# KiCad board KB75.kicad_pcb (continued)
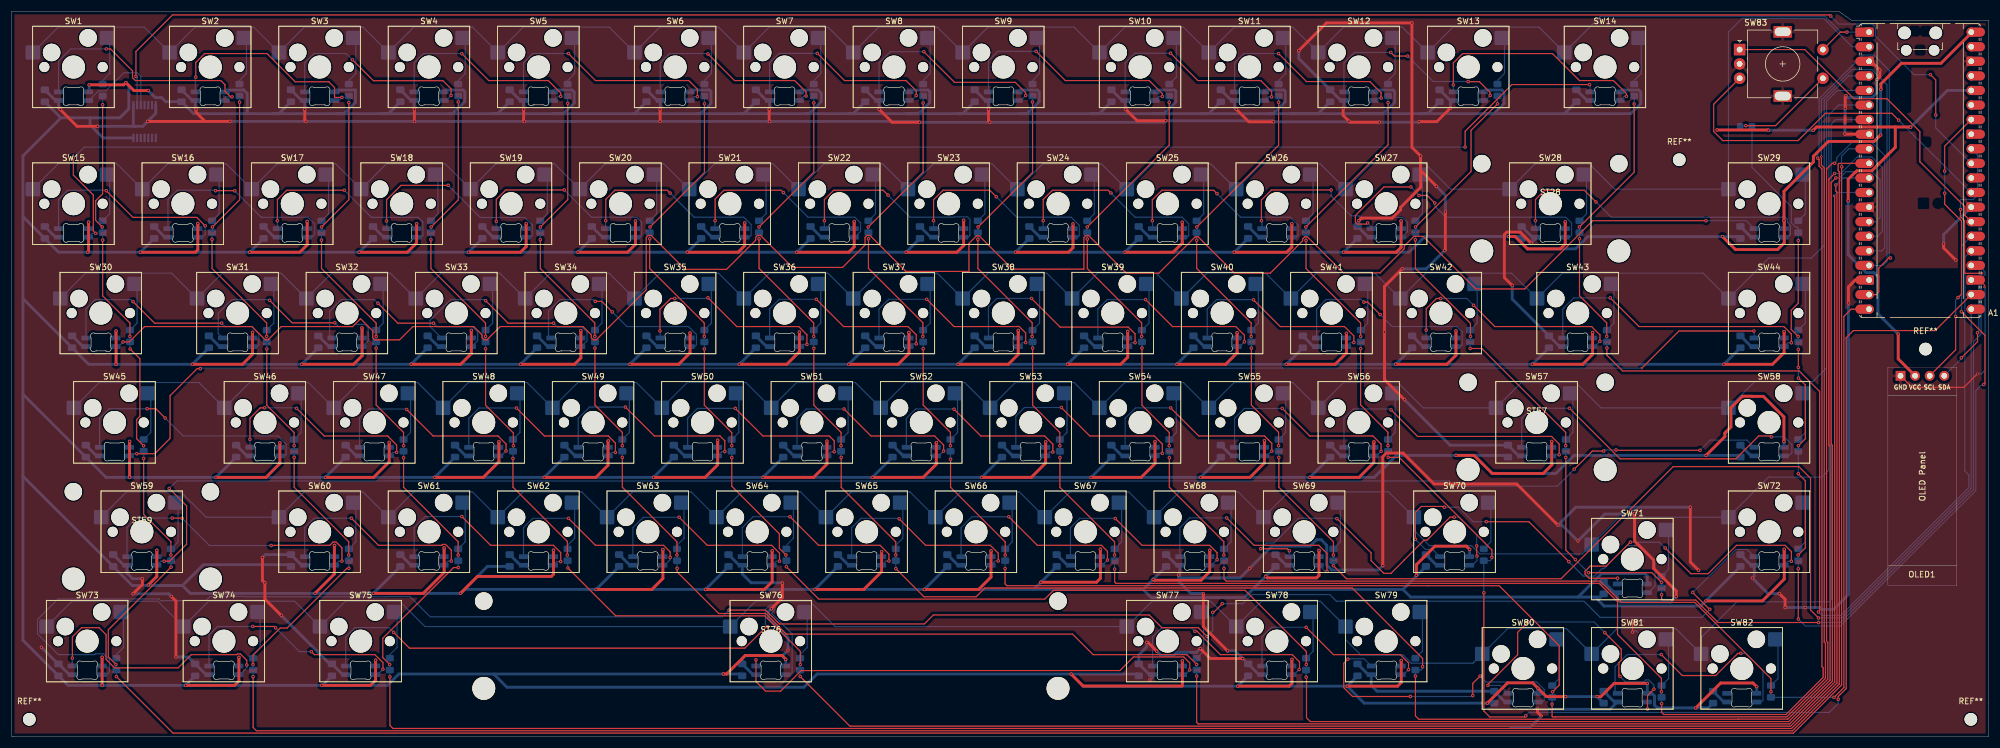
[diagram p0: board, top side]
## Routing (per net, layer and track width the routed paths; a pad name or vN(x,y) marks a point on that pad's centre or on a via; arc(x,y) is an arc through that point) (continued)
GND: length 1274.7
  Top w0.2: v3(343.58,78.29) 343.6,78.31 343.6,78.62 342.69,79.53 A1.23 ; v1(282.3,18.21) 282.3,20.01 v1(282.41,20.12) ; v2(342.35,63.18) 339.99,60.82 330.98,60.82 OLED1.1
  Top w0.5: v1(231.91,109.46) 231.91,108.2 v1(232.92,107.19) 233.1,107.01 v1(238.19,107.01) ; v1(224.17,119.48) 229,124.31 v1(243.88,124.31) 243.88,102.62 v1(245.39,101.11) ; v1(43.7,31.17) 43.7,27.19 v1(44.13,26.76) 44.13,23.94 v1(47,21.07) ; v1(319.28,104.97) 319.32,104.93 A1.8 ; v1(293.8,28.96) 292.35,30.41 v1(292.35,39.95) ; v1(214.41,13.59) 208.75,13.59 v1(207.01,15.33) ; v1(248.15,95.84) 245.39,98.6 v1(245.39,101.11) ; v1(269.3,36.82) 262.13,43.99 247.73,43.99 242.35,49.37 239.42,49.37 238.8,48.74 v1(238.8,29.76) ; v1(264.64,85.96) 262.72,87.87 260.4,87.87 259.96,87.43 259.96,79.95 v1(261.35,78.57) ; v1(70.2,107.15) 70.16,107.19 v1(70.16,109.25) ; v1(245.39,101.11) 245.39,95.66 241.9,92.18 241.9,91.78 240.44,90.31 235.07,90.31 v1(234.63,89.86) ; v1(132.03,107.15) 131.95,107.23 v1(131.95,109.25) ; 33.72,107.15 23.73,107.15 v1(23.72,107.16) ; 33.72,107.15 v1(38.07,107.15) ; 33.72,107.15 32.14,108.73 v1(32.14,109.26) ; A1.3 323.83,117.63 v1(325.36,116.1) 325.36,114.92 v1(324.86,114.42) ; v1(282.65,38.87) 282.65,34.05 285.97,30.73 285.97,29.28 289.89,25.36 v1(289.89,24.37) ; v1(242.17,81.47) 239.1,78.4 v1(239.1,70.48) 239.1,62.16 v1(242.6,58.66) ; v1(158.16,107) 153.36,107 v1(151.11,109.25) ; v1(132.32,22.27) 134.25,24.2 v1(134.25,26.73) ; v1(245.13,107.11) 248.21,107.11 v1(250.57,109.47) ; v3(319.31,108.02) v3(319.31,106.92) ; v1(249.58,84.68) 249.7,84.8 v1(249.7,91.39) ; v1(21.17,24.86) 22.79,26.48 v1(22.79,27.49) ; v1(211.77,14.93) 207.56,19.14 v3(207.56,24.91) ; v1(89.19,109.25) 89.19,107.31 v1(89.35,107.15) ; v1(338.6,82.98) 336.47,85.11 v1(336.47,85.83) ; v3(266.43,3.56) 265.75,4.24 v1(265.75,4.79) ; v1(170.14,109.25) 170.14,107.22 v1(170.36,107) ; v1(213.3,109.25) 215.46,107.09 v1(219.76,107.09) ; v1(15,106.3) 11.42,106.3 v1(8.49,109.23) ; v1(201.01,107.27) 196.03,107.27 v1(194.05,109.25) ; v1(319.34,109.4) 319.34,111.53 v1(319.45,111.65) ; v1(27.84,24.4) 28.65,23.59 v1(28.65,13.85) ; v1(199.45,14.86) 197.93,16.38 v1(197.7,16.38) ; v1(51.29,107.15) 51.07,107.37 v1(51.07,109.25) ; v1(308.86,22.47) 308.86,23.9 v1(307.87,24.89) ; v1(112.96,109.25) v1(112.96,107.15) ; A1.18 321.08,79.53 319.89,78.33 v1(319.89,75.53)
  Bottom w0.2: v2(342.35,63.18) 343.04,63.18 343.68,63.83 343.68,78.19 v3(343.58,78.29) ; 283.29,18.09 282.97,18.41 282.49,18.41 v1(282.3,18.21) ; v1(282.41,20.12) 284.3,20.12
  Bottom w0.5: LED80.2 260.08,6.02 C80.1 237.8,7.89 236.8,8.89 236.8,10.78 236.27,10.78 C79.1 ; LED33.2 74.34,67.93 C33.1 ; LED57.2 262.46,48.88 C57.1 250.51,50.75 v1(242.6,58.66) ; C25.1 198.17,86.98 LED25.2 ; U1.7 25.12,108.57 v1(23.72,107.16) 22.86,106.3 21.38,106.3 ; C53.1 174.36,48.88 LED53.2 ; C45.1 14.81,48.88 LED45.2 ; LED41.2 226.74,67.93 C41.1 ; 21.38,106.3 21.22,106.46 21.22,110 ; 21.38,106.3 v1(15,106.3) ; C4.1 69.58,110.8 LED4.2 70.11,109.3 v1(70.16,109.25) ; C49.1 98.16,48.88 LED49.2 ; LED62.2 88.63,29.83 C61.1 ; C10.1 193.41,110.8 LED10.2 193.94,109.36 v1(194.05,109.25) ; v1(203.24,28.13) 203.46,28.36 LED68.2 202.93,29.83 C67.1 ; v1(203.24,28.13) 203.74,27.63 213.96,27.63 v1(215.62,29.29) 219.48,33.16 226.15,33.16 227.27,34.29 228.07,34.29 229.04,33.31 229.04,29.85 229.88,29.01 238.04,29.01 v1(238.8,29.76) ; v1(203.24,28.13) 203.24,27.05 205.38,24.91 v3(207.56,24.91) ; C11.1 212.46,110.8 LED11.2 212.99,109.56 v1(213.3,109.25) ; C54.1 193.41,48.88 LED54.2 ; v1(27.84,24.4) 27.38,24.86 v1(21.17,24.86) ; C62.1 107.68,29.83 LED63.2 ; v1(264.64,85.96) 265.38,86.7 LED28.2 264.84,86.98 C28.1 ; LED18.2 64.82,86.98 C18.1 ; LED31.2 36.24,67.93 C31.1 ; C42.1 245.79,67.93 LED42.2 ; C51.1 136.26,48.88 LED51.2 ; LED60.2 50.53,29.83 C59.1 44.22,31.7 v1(43.7,31.17) ; v1(319.28,104.97) 319.28,106.89 v3(319.31,106.92) ; 261.08,1.58 264.45,1.58 v3(266.43,3.56) ; C65.1 164.83,29.83 LED66.2 ; 217.75,10.78 217.22,10.78 C78.1 v1(214.41,13.59) 213.07,14.93 v1(211.77,14.93) ; LED55.2 212.46,48.88 C55.1 ; 236.8,86.98 236.27,86.98 C27.1 234.63,89.08 v1(234.63,89.86) ; v1(250.57,109.47) 250.57,110.27 LED13.2 250.56,110.8 C13.1 ; C14.1 274.37,110.8 LED14.2 ; A1.28 336.47,87.43 v1(336.47,85.83) ; C71.1 302.94,48.88 LED58.2 ; C3.1 50.53,110.8 LED3.2 51.06,109.25 v1(51.07,109.25) ; v1(5.22,15.54) 8.11,12.65 C73.1 10.05,10.78 LED73.2 ; C68.1 221.98,29.83 LED69.2 ; LED44.2 302.94,67.93 C44.1 ; C66.1 183.88,29.83 LED67.2 ; C22.1 141.02,86.98 LED22.2 ; LED43.2 269.61,67.93 C43.1 261.35,76.19 v1(261.35,78.57) ; 217.75,86.98 217.22,86.98 C26.1 ; C8.1 150.54,110.8 LED8.2 151.08,109.28 v1(151.11,109.25) ; C21.1 121.97,86.98 LED21.2 ; v1(170.14,109.25) 170.13,109.26 LED9.2 169.59,110.8 C9.1 ; v1(319.34,109.4) 319.31,109.37 v3(319.31,108.02) ; v1(292.35,39.95) 272.43,39.95 v1(269.3,36.82) 270.02,36.82 v1(272.79,34.05) 272.79,34.07 277.47,38.76 282.53,38.76 v1(282.65,38.87) ; v1(289.89,24.37) 288.95,23.43 280.1,23.43 279.66,23.87 LED71.2 279.13,25.07 C70.1 ; v1(307.87,24.89) 305.89,24.89 v1(303.17,27.61) 303.48,27.92 LED72.2 302.94,29.83 C72.1 ; C47.1 60.06,48.88 LED47.2 ; LED39.2 188.64,67.93 C39.1 ; v1(112.96,109.25) 112.98,109.27 LED6.2 112.44,110.8 C6.1 ; LED56.2 231.51,48.88 C56.1 ; C58.1 19.57,29.83 LED59.2 20.11,28.47 21.09,27.49 v1(22.79,27.49) ; LED23.2 160.07,86.98 C23.1 ; v1(89.19,109.25) 89.16,109.28 LED5.2 88.63,110.8 C5.1 ; v1(319.45,111.65) 319.8,111.3 324,111.3 324.78,112.08 324.78,114.35 v1(324.86,114.42) ; v1(231.91,109.46) 232.04,109.59 LED12.2 231.51,110.8 C12.1 224.17,118.14 v1(224.17,119.48) ; C46.1 41.01,48.88 LED46.2 ; C7.1 131.49,110.8 LED7.2 132.03,109.33 v1(131.95,109.25) ; C63.1 126.73,29.83 LED64.2 127.26,28.33 128.81,26.78 134.2,26.78 v1(134.25,26.73) ; C36.1 131.49,67.93 LED36.2 ; LED32.2 55.29,67.93 C32.1 ; v1(248.15,95.84) 249.7,94.29 v1(249.7,91.39) ; LED35.2 112.44,67.93 C35.1 ; v1(199.45,14.86) 200.2,14.11 202.37,14.11 202.92,14.66 206.34,14.66 v1(207.01,15.33) ; v1(249.58,84.68) 246.37,81.47 v1(242.17,81.47) ; LED61.2 69.58,29.83 C60.1 ; C38.1 169.59,67.93 LED38.2 ; LED15.2 7.67,86.98 C15.1 ; C34.1 93.39,67.93 LED34.2 ; C20.1 102.92,86.98 LED20.2 ; LED24.2 179.12,86.98 C24.1 ; v1(198.24,9.86) 198.7,10.33 LED77.2 198.17,10.78 C77.1 196.3,14.22 197.7,15.62 v1(197.7,16.38) ; LED74.2 33.86,10.78 C74.1 30.79,13.85 v1(28.65,13.85) ; LED82.2 298.18,6.02 C82.1 ; C81.1 279.13,6.02 LED81.2 278.39,4.74 265.79,4.74 v1(265.75,4.79) ; v1(38.07,107.15) v1(51.29,107.15) v1(70.2,107.15) v1(89.35,107.15) v1(112.96,107.15) v1(132.03,107.15) 158.01,107.15 v1(158.16,107) v1(170.36,107) 200.74,107 v1(201.01,107.27) 219.58,107.27 v1(219.76,107.09) 232.82,107.09 v1(232.92,107.19) ; v1(319.89,75.53) 319.89,24.72 317.31,22.15 315.29,22.15 314.97,22.47 v1(312.36,22.47) 312.35,22.46 311.62,22.46 311.61,22.47 v1(308.86,22.47) ; v1(238.19,107.01) 245.03,107.01 v1(245.13,107.11) ; C19.1 83.87,86.98 LED19.2 ; v1(8.49,109.23) 8.2,109.52 LED1.2 7.67,110.8 C1.1 ; C69.1 248.17,29.83 LED70.2 ; LED50.2 117.21,48.88 C50.1 ; LED30.2 12.43,67.93 C30.1 ; 27.25,86.98 26.72,86.98 C16.1 ; LED75.2 57.67,10.78 C75.1 55.42,12.65 v1(47,21.07) ; C48.1 79.11,48.88 LED48.2 ; LED29.2 302.94,86.98 C29.1 ; C52.1 155.31,48.88 LED52.2 ; v1(132.32,22.27) 131.83,21.78 131.83,20.6 135.23,17.2 v1(135.23,15.04) 134.3,14.11 127.77,14.11 127.24,13.58 127.24,12.66 C76.1 129.11,10.78 LED76.2 ; LED17.2 45.77,86.98 C17.1 ; C37.1 150.54,67.93 LED37.2 ; LED40.2 207.69,67.93 C40.1 ; C64.1 145.78,29.83 LED65.2 ; C2.1 31.48,110.8 LED2.2 32.01,109.39 v1(32.14,109.26)
C1: length 518.1
  Top w0.2: v1(27.79,29.52) 16.87,18.6 16.87,13.88 v1(18.19,12.56) ; v1(20.63,69.71) 20.63,72.02 15.88,76.77 v1(15.88,86.48) ; v1(18.28,10.44) 28.12,0.6 310.31,0.6 318.7,8.98 318.7,99.22 v1(318.73,99.25) ; v1(20.66,67.51) 22.36,65.81 22.36,55.78 21.8,55.22 21.8,51.87 v1(23.01,50.66) ; v1(23.02,48.43) 23.02,38.7 27.76,33.96 v1(27.76,31.61) ; v1(15.81,88.76) 14.65,89.91 14.65,93.32 15.87,94.53 v1(15.87,110.05)
  Bottom w0.2: v1(23.02,48.43) 23.02,48.44 D45.1 23.01,49.71 v1(23.01,50.66) ; D1.1 15.88,110.07 v1(15.87,110.05) ; v1(15.88,86.48) 15.88,86.49 D15.1 15.81,87.86 v1(15.81,88.76) ; v1(27.79,29.52) 27.79,29.52 27.79,30.64 27.76,30.67 v1(27.76,31.61) ; v1(20.63,69.71) 20.63,68.76 20.64,68.74 20.64,67.53 v1(20.66,67.51) ; v1(318.73,99.25) 318.7,99.28 318.7,101.13 319.95,102.39 A1.9 ; v1(18.19,12.56) 18.19,11.66 D73.1 18.26,10.46 v1(18.28,10.44)
C2: length 505.6
  Top w0.2: v1(44.46,67.52) 44.46,57.72 49.22,52.96 v1(49.22,50.66) ; A1.10 318.26,99.85 318.09,99.68 318.09,98.61 318.29,98.41 318.29,9.15 310.15,1 42.65,1 42.09,1.56 42.09,10.41 v1(42.08,10.42) ; v1(49.23,48.61) 49.23,43.42 58.73,33.92 v1(58.73,31.61) ; v1(34.93,86.61) 34.93,81.54 44.43,72.03 v1(44.43,69.71) ; v1(35,88.76) 39.72,93.48 v1(39.72,110.5) ; v1(42.06,12.56) 42.06,14.18 46.79,18.9 48.01,18.9 58.4,29.29 v1(58.76,29.29)
  Bottom w0.2: v1(49.23,48.61) 49.22,48.62 D46.1 49.22,49.69 v1(49.22,50.66) ; v1(39.72,110.5) 39.69,110.53 D2.1 ; v1(42.06,12.56) 42.06,11.6 D74.1 42.07,10.42 v1(42.08,10.42) ; v1(44.43,69.71) 44.43,68.76 44.46,68.74 v1(44.46,67.52) ; v1(58.76,29.29) 58.74,29.31 58.74,30.64 58.73,30.66 v1(58.73,31.61) ; v1(34.93,86.61) 34.93,86.62 D16.1 35,87.85 v1(35,88.76)
C3: length 476.6
  Top w0.2: v1(58.75,110.42) 58.75,93.51 v1(54,88.76) ; v1(317.69,96.07) 317.69,96.06 317.69,95.04 317.89,94.83 317.89,9.31 309.98,1.4 66.43,1.4 65.9,1.93 v1(65.9,10.4) ; v1(68.28,50.66) 68.28,52.97 63.51,57.74 v1(63.51,67.64) ; v1(63.5,69.71) 63.5,72.01 53.99,81.53 v1(53.99,86.47) ; v1(77.8,29.43) 76.97,29.43 64.66,17.12 64.66,13.75 v1(65.85,12.56) ; v1(68.28,48.56) 68.28,43.42 77.79,33.91 v1(77.79,31.61)
  Bottom w0.2: v1(63.5,69.71) 63.5,68.74 63.51,68.74 v1(63.51,67.64) ; v1(77.8,29.43) 77.79,29.44 77.79,30.64 77.79,30.64 v1(77.79,31.61) ; v1(65.9,10.4) 65.89,10.41 D75.1 65.85,11.63 v1(65.85,12.56) ; v1(53.99,86.47) 53.98,86.48 D17.1 54,87.8 v1(54,88.76) ; v1(58.75,110.42) 58.74,110.43 D3.1 ; v1(317.69,96.07) 318.93,97.31 A1.11 ; v1(68.28,50.66) 68.28,49.7 D47.1 68.27,48.57 v1(68.28,48.56)
C4: length 423
  Top w0.2: v1(137.35,10.46) 146,1.8 309.82,1.8 317.49,9.48 317.49,94.07 v3(317.38,94.18) ; v1(87.41,50.66) 87.41,50.67 87.41,52.87 82.56,57.72 v1(82.56,67.54) ; v1(82.55,69.71) 82.55,72.01 73.04,81.53 v1(73.04,86.54) ; v1(96.89,29.36) 105.22,21.03 131.17,21.03 137.37,14.83 v1(137.37,12.56) ; v1(96.8,31.61) 96.8,33.97 87.33,43.45 v1(87.33,48.44) ; v1(73.08,88.76) 77.81,93.49 v1(77.81,110.56)
  Bottom w0.2: v1(137.37,12.56) 137.32,12.51 D76.1 137.32,10.48 v1(137.35,10.46) ; v1(77.81,110.56) 77.79,110.58 D4.1 ; v1(82.56,67.54) 82.56,68.74 82.55,68.74 v1(82.55,69.71) ; v3(317.38,94.18) 317.96,94.77 A1.12 ; v1(87.33,48.44) 87.32,48.45 D48.1 ; v1(73.04,86.54) 73.03,86.55 D18.1 73.08,87.84 v1(73.08,88.76) ; v1(87.41,50.66) 87.41,49.78 ; v1(96.89,29.36) 96.84,29.41 96.84,30.64 96.8,30.68 v1(96.8,31.61)
C5: length 421.5
  Top w0.2: v1(106.38,50.66) 106.38,52.97 101.6,57.75 v1(101.6,67.65) ; v1(96.87,110.3) 96.87,93.52 v1(92.11,88.76) ; v1(206.39,10.52) 206.39,2.46 206.64,2.21 309.65,2.21 317.09,9.65 317.09,50.73 316.88,50.95 316.88,96.5 v1(317.69,97.31) ; v1(106.38,48.62) 106.38,43.42 115.88,33.92 v1(115.88,31.61) ; v1(101.58,69.71) 101.58,72.04 92.1,81.52 v1(92.1,86.54) ; v1(115.92,29.29) 115.92,28.67 123.16,21.43 131.34,21.43 134.93,17.84 184.77,17.84 188.35,14.26 204.68,14.26 v1(206.38,12.56)
  Bottom w0.2: v1(115.92,29.29) 115.89,29.31 115.89,30.64 115.88,30.65 v1(115.88,31.61) ; v1(92.1,86.54) 92.08,86.56 D19.1 92.11,87.81 v1(92.11,88.76) ; v1(101.6,67.65) 101.61,67.66 101.61,68.74 101.58,68.77 v1(101.58,69.71) ; D5.1 96.84,110.33 v1(96.87,110.3) ; v1(206.38,12.56) 206.38,11.59 D77.1 206.38,10.53 v1(206.39,10.52) ; A1.14 324.64,89.69 325.4,90.44 325.4,96.95 323.94,98.41 319.45,98.41 318.36,97.31 v1(317.69,97.31) ; v1(106.38,50.66) 106.38,49.7 D49.1 106.37,48.63 v1(106.38,48.62)
C6: length 412.6
  Top w0.2: v1(134.87,31.61) 133.72,32.76 133.72,35.31 125.43,43.6 v1(125.43,48.6) ; v1(225.46,10.33) 225.52,10.27 225.52,3.26 226.17,2.61 309.48,2.61 316.69,9.81 316.69,50.57 316.48,50.78 316.48,97.08 v1(317.48,98.08) ; v1(225.49,12.56) 225.49,14.8 214.82,25.47 181.47,25.47 179.94,23.94 140.58,23.94 v1(134.95,29.57) ; v1(120.66,67.52) 120.66,57.72 125.43,52.95 v1(125.43,50.66) ; v1(111.14,86.7) 111.14,81.53 120.65,72.02 v1(120.65,69.71) ; v1(111.2,88.76) 120.68,98.24 v1(120.68,110.23)
  Bottom w0.2: v1(317.48,98.08) 318.56,98.08 321.42,100.95 323.94,100.95 325.8,99.09 325.8,87.98 324.96,87.15 A1.15 ; v1(120.65,69.71) 120.65,68.75 120.66,68.74 v1(120.66,67.52) ; v1(111.2,88.76) 111.2,87.85 D20.1 111.13,86.71 v1(111.14,86.7) ; v1(125.43,50.66) 125.43,49.7 D50.1 125.42,48.61 v1(125.43,48.6) ; v1(225.46,10.33) 225.43,10.36 D78.1 225.49,11.64 v1(225.49,12.56) ; v1(134.95,29.57) 134.94,29.58 134.94,30.64 134.87,30.71 v1(134.87,31.61) ; D6.1 120.66,110.25 v1(120.68,110.23)
C7: length 403
  Top w0.2: v1(139.72,67.62) 139.72,57.73 144.46,52.99 v1(144.46,50.66) ; v1(139.72,110.38) 139.72,98.31 v1(130.17,88.76) ; v1(144.49,48.61) 144.49,43.41 153.99,33.91 v1(153.99,31.61) ; v1(317.48,99.86) 317.09,99.86 316.08,98.85 316.08,16.63 316.29,16.41 316.29,9.98 309.34,3.03 300.75,3.03 300.73,3.01 245.07,3.01 244.49,3.59 v1(244.49,10.53) ; v1(130.19,86.7) 130.19,81.55 139.7,72.04 v1(139.7,69.71) ; v1(154.01,29.24) 158.9,24.34 167.98,24.34 169.51,25.87 233.46,25.87 245.73,13.61 v1(245.73,12.16)
  Bottom w0.2: v1(154.01,29.24) 153.99,29.25 153.99,30.64 153.99,30.65 v1(153.99,31.61) ; v1(144.49,48.61) 144.47,48.63 D51.1 144.46,49.7 v1(144.46,50.66) ; v1(139.7,69.71) 139.7,68.75 139.71,68.74 139.71,67.63 v1(139.72,67.62) ; v1(244.49,10.53) 244.48,10.54 D79.1 245.48,11.59 245.73,11.83 v1(245.73,12.16) ; A1.16 325.68,84.61 326.2,85.12 326.2,101.23 323.94,103.49 320.48,103.49 317.86,100.86 317.86,100.24 v1(317.48,99.86) ; D7.1 139.71,110.39 v1(139.72,110.38) ; v1(130.17,88.76) 130.17,87.8 D21.1 130.18,86.71 v1(130.19,86.7)
C8: length 413
  Top w0.2: v1(268.28,5.64) 268.28,3.52 268.39,3.41 268.83,3.41 268.85,3.43 309.18,3.43 315.89,10.15 315.89,16.25 315.67,16.46 315.67,99.04 315.18,99.54 v3(315.18,101.04) ; v1(158.77,67.55) 158.77,57.73 163.51,52.99 v1(163.51,50.66) ; v1(173.04,29.25) 173.02,29.23 173.02,26.6 173.34,26.27 246.64,26.27 246.65,26.27 259.06,26.27 269.52,15.82 269.52,8.94 v1(268.37,7.8) ; v1(149.21,88.76) 158.76,98.31 v1(158.76,110.37) ; v1(149.24,86.7) 149.24,81.55 158.71,72.08 v1(158.71,69.71) ; v1(173.06,31.61) 173.06,33.89 163.53,43.42 v1(163.53,48.31)
  Bottom w0.2: v3(315.18,101.04) 315.18,110.91 320.45,116.19 323.94,116.19 326.6,113.53 326.6,82.76 325.91,82.07 A1.17 ; v1(158.77,67.55) 158.76,67.56 158.76,68.74 158.71,68.79 v1(158.71,69.71) ; v1(149.24,86.7) 149.23,86.71 D22.1 149.21,87.81 v1(149.21,88.76) ; v1(268.28,5.64) 268.29,5.66 D80.1 268.37,6.91 v1(268.37,7.8) ; v1(163.53,48.31) 163.52,48.32 D52.1 163.51,49.7 v1(163.51,50.66) ; D8.1 v1(158.76,110.37) ; v1(173.04,29.25) 173.04,29.26 173.04,30.64 173.06,30.65 v1(173.06,31.61)
C9: length 400.2
  Top w0.2: A1.19 324.69,76.99 324.7,76.98 325.17,77.46 325.17,81.62 326.92,83.36 v1(327.2,83.36) ; v1(182.58,48.58) 182.58,43.42 192.09,33.91 v1(192.09,31.61) ; v1(182.56,50.66) 182.56,52.97 177.82,57.71 v1(177.82,67.66) ; v1(192.11,29.16) 192.11,26.92 192.35,26.68 276.48,26.68 279.68,23.48 279.68,17.78 287.32,10.14 v1(287.32,7.8) ; v1(177.75,69.71) 177.75,72.07 168.29,81.53 v1(168.29,86.6) ; v1(168.33,88.76) 177.81,98.24 v1(177.81,110.53) ; v1(287.35,5.73) 287.37,5.71 287.37,4.18 287.72,3.83 309.01,3.83 315.49,10.31 315.49,11.97 315.27,12.19 315.27,98.88 314.77,99.38 314.77,100.52 v1(314.53,100.77)
  Bottom w0.2: v1(192.11,29.16) 192.09,29.18 192.09,30.64 192.09,30.65 v1(192.09,31.61) ; v1(177.82,67.66) 177.81,67.67 177.81,68.74 177.75,68.8 v1(177.75,69.71) ; v1(168.33,88.76) 168.33,87.83 D23.1 168.28,86.61 v1(168.29,86.6) ; v1(327.2,83.36) 327,83.56 327,116.03 324.29,118.73 322.43,118.73 314.77,111.08 314.77,102.15 314.53,101.91 v1(314.53,100.77) ; v1(182.58,48.58) 182.57,48.59 D53.1 182.56,49.7 v1(182.56,50.66) ; v1(287.35,5.73) 287.34,5.74 D81.1 287.32,6.85 v1(287.32,7.8) ; D9.1 v1(177.81,110.53)
C10: length 287.8
  Top w0.2: v1(306.4,7.8) 306.4,10.09 293.12,23.37 280.36,23.37 280.08,23.65 280.08,23.65 276.65,27.08 211.53,27.08 211.15,27.46 v1(211.15,29.27) ; A1.20 320.36,74.45 319.1,73.18 319.1,73.18 319.1,8.53 v1(317.38,6.82) ; v1(201.63,48.57) 201.63,43.42 211.12,33.93 v1(211.12,31.61) ; v1(196.81,69.71) 196.81,72.06 187.35,81.52 v1(187.35,86.66) ; v1(201.61,110.46) 201.61,103.03 v1(187.33,88.76) ; v1(196.87,67.66) 196.87,57.71 201.62,52.96 v1(201.62,50.66)
  Bottom w0.2: v1(306.4,7.8) 306.4,6.83 D82.1 306.4,6.82 v1(317.38,6.82) ; v1(201.63,48.57) 201.62,48.58 D54.1 201.62,49.69 v1(201.62,50.66) ; v1(196.87,67.66) 196.86,67.67 196.86,68.74 196.81,68.79 v1(196.81,69.71) ; v1(201.61,110.46) 201.62,110.48 D10.1 ; v1(211.12,31.61) 211.12,30.66 211.14,30.64 211.14,29.28 v1(211.15,29.27) ; v1(187.33,88.76) 187.33,87.79 D24.1 187.33,86.68 v1(187.35,86.66)
C11: length 282.7
  Top w0.2: v1(215.88,69.71) 215.88,72.05 206.39,81.55 v1(206.39,86.45) ; v1(220.7,48.6) 220.7,43.43 230.2,33.93 v1(230.2,31.61) ; v1(206.42,88.76) 220.66,103 v1(220.66,110.49) ; v1(314.67,20.66) 313.29,22.05 313.29,44.98 311.26,47.01 289.37,47.01 269.84,27.48 232.48,27.48 v1(230.2,29.76) ; v1(215.92,67.67) 215.92,57.73 220.64,53 v1(220.64,50.66)
  Bottom w0.2: v1(215.88,69.71) 215.88,68.76 215.91,68.74 215.91,67.68 v1(215.92,67.67) ; D11.1 220.67,110.5 v1(220.66,110.49) ; v1(206.42,88.76) 206.42,87.82 D25.1 206.38,86.46 v1(206.39,86.45) ; v1(230.2,29.76) 230.19,29.77 230.19,30.64 230.2,30.64 v1(230.2,31.61) ; v1(314.67,20.66) 318.73,20.66 341.27,43.2 A1.21 ; v1(220.64,50.66) 220.64,49.71 D55.1 220.67,48.63 v1(220.7,48.6)
C12: length 281.2
  Top w0.2: v1(239.69,50.66) 239.69,53 234.94,57.76 v1(234.94,67.56) ; v1(318.11,6.49) 318.11,6.98 319.5,8.37 319.5,69.47 320.75,70.72 335,70.72 A1.22 ; v1(239.74,48.62) 241.67,48.62 257.8,32.5 v1(257.8,31.21) ; v1(256.4,25.03) 256.4,4.44 257.43,3.41 263.5,3.41 v1(263.7,3.61) ; v1(234.94,69.71) 234.94,72.03 225.44,81.53 v1(225.44,86.43) ; v1(225.4,88.76) 239.73,103.09 v1(239.73,110.41)
  Bottom w0.2: v1(234.94,67.56) 234.96,67.58 234.96,68.74 234.94,68.76 v1(234.94,69.71) ; v1(239.74,48.62) 239.72,48.64 D56.1 239.69,49.71 v1(239.69,50.66) ; v1(239.73,110.41) 239.72,110.42 D12.1 ; v1(263.7,3.61) 264.28,4.19 316.53,4.19 318.11,5.78 v1(318.11,6.49) ; v1(225.44,86.43) 225.43,86.44 D26.1 225.4,87.82 v1(225.4,88.76) ; v1(256.4,25.03) 256.39,25.04 256.39,30.64 257.51,30.64 257.8,30.92 v1(257.8,31.21)
C13: length 226.4
  Top w0.2: v1(270.65,50.66) 270.65,52.98 256.04,67.59 v1(254.02,67.59) ; v1(274.62,28.54) 285.64,28.54 v1(287.34,26.85) ; v1(258.79,110.22) 254.16,105.6 254.16,98.42 v1(244.51,88.76) ; v1(270.68,48.61) 270.68,32.47 v1(272.33,30.82) ; v1(314.67,19.86) 297.19,19.86 293.28,23.77 287.51,23.77 287.35,23.94 v1(287.35,24.7) ; v1(254.07,69.71) 254.07,71.97 244.48,81.56 v1(244.48,86.53)
  Bottom w0.2: v1(270.65,50.66) 270.65,49.71 D57.1 270.67,48.61 v1(270.68,48.61) ; v1(274.62,28.54) 274.61,28.55 274.6,28.55 v1(272.33,30.82) ; v1(287.35,24.7) 287.34,24.71 D71.1 287.34,25.88 v1(287.34,26.85) ; A1.24 342.82,82.07 343.42,81.48 343.42,81.17 343.68,80.9 343.68,80.49 342.99,79.79 342.99,70.39 342.97,70.37 342.97,70.09 341.67,68.78 341.67,43.04 318.49,19.86 v1(314.67,19.86) ; v1(254.02,67.59) 254.01,67.6 254.01,68.74 254.07,68.8 v1(254.07,69.71) ; v1(244.48,86.53) 244.48,86.54 D27.1 244.51,87.81 v1(244.51,88.76) ; D13.1 258.77,110.24 v1(258.79,110.22)
C14: length 206.9
  Top w0.2: v1(277.8,69.71) 277.8,72.05 273.06,76.79 v1(273.06,86.71) ; v1(273.03,88.76) 282.58,98.31 v1(282.58,110.18) ; v1(314.67,21.7) 314.87,21.9 314.87,60.11 311.3,63.68 280.57,63.68 277.83,66.42 v1(277.83,67.66)
  Bottom w0.2: D14.1 282.58,110.19 v1(282.58,110.18) ; v1(277.8,69.71) 277.8,68.76 277.82,68.74 277.82,67.67 v1(277.83,67.66) ; v1(273.06,86.71) D28.1 273.03,87.81 v1(273.03,88.76) ; v1(314.67,21.7) 315.27,21.1 318.6,21.1 340.86,43.37 340.86,45.53 340.16,46.24 340.16,83.5 A1.25
C15: length 181
  Top w0.2: v1(311.18,50.66) 312.38,51.87 312.38,61.25 v1(311.19,62.44) ; v1(311.17,64.29) v1(311.17,67.42) ; v1(339.56,73.99) 343.67,69.89 343.67,61.54 v1(343.45,61.33) ; v1(311.17,20.46) 311.16,20.47 v1(311.16,29.22) ; v1(311.13,31.61) 312.38,32.86 312.38,44.56 v1(311.16,45.78) ; v1(311.13,69.71) 309.93,70.91 309.93,74.27 311.16,75.5 v1(311.16,86.4)
  Bottom w0.2: v1(311.13,69.71) 311.13,68.77 311.16,68.74 311.16,67.43 v1(311.17,67.42) ; v1(311.13,31.61) 311.13,30.66 311.16,30.64 v1(311.16,29.22) ; v1(311.18,50.66) 311.18,49.71 D58.1 311.16,48.47 311.16,48.47 311.16,45.79 v1(311.16,45.78) ; D83.1 303.09,99.15 309.93,92.3 309.93,89.5 310.67,88.76 310.95,88.76 311.16,88.55 D29.1 v1(311.16,86.4) ; v1(339.56,73.99) 339.58,74.01 339.58,85.46 A1.26 ; v1(311.17,20.46) 312.37,19.26 318.46,19.26 342.07,42.87 342.07,60.23 343.02,61.18 343.3,61.18 v1(343.45,61.33) ; v1(311.17,64.29) 311.17,62.46 v1(311.19,62.44)
E-A: length 56.7
  Top w0.2: A1.27 340.16,90.79 340.16,92.3 332.32,100.14 332.32,105.38 326.6,111.11 320.84,111.11 312.28,119.67 SW83.A
E-B: length 64.3
  Top w0.2: v1(328.64,107.36) 327.43,108.57 315.87,108.57 311.12,103.82 298.01,103.82 296.41,105.41 296.41,110.14 SW83.B
  Bottom w0.2: v1(328.64,107.36) 341.23,94.77 A1.29
E-SW1: length 17.9
  Top w0.2: v1(302.01,106.41) 307.19,106.41 SW83.S1
  Bottom w0.2: v1(302.01,106.41) 301.28,106.41 D83.2
E-SW2: length 376.6
  Top w0.2: v1(319.63,122.71) 318.48,122.71 SW83.S2
  Bottom w0.2: SW1.1 8.13,123.58 23.11,123.58 SW2.1 31.94,123.58 42.16,123.58 SW3.1 50.99,123.58 61.21,123.58 SW4.1 70.08,123.61 80.23,123.61 SW5.1 89.09,123.58 104.07,123.58 SW6.1 112.91,123.58 123.12,123.58 SW7.1 131.96,123.58 142.17,123.58 SW8.1 151.01,123.58 161.22,123.58 165.64,119.17 170.06,123.58 185.04,123.58 SW10.1 193.87,123.58 204.09,123.58 SW11.1 212.92,123.58 223.14,123.58 SW12.1 231.97,123.58 242.19,123.58 SW13.1 251.02,123.58 266,123.58 SW14.1 276.76,125.5 315.75,125.5 318.54,122.71 v1(319.63,122.71) A1.1
R2: length 401.5
  Bottom w0.2: SW15.1 8.26,99.89 18.23,99.89 SW16.1 27.18,99.77 37.4,99.77 SW17.1 46.23,99.77 56.45,99.77 SW18.1 65.28,99.77 75.5,99.77 SW19.1 84.33,99.77 94.55,99.77 SW20.1 103.38,99.77 113.6,99.77 SW21.1 122.43,99.77 132.65,99.77 SW22.1 141.48,99.77 151.7,99.77 SW23.1 160.53,99.77 170.75,99.77 SW24.1 179.58,99.77 189.8,99.77 SW25.1 198.63,99.77 208.85,99.77 SW26.1 217.68,99.77 227.9,99.77 SW27.1 236.73,99.77 246.18,99.77 250.59,95.35 260.89,95.35 265.31,99.77 274.75,99.77 279.17,95.35 SW29.1 298.99,122.72 301.38,125.1 315.58,125.1 320.52,120.17 A1.2
R3: length 397.1
  Bottom w0.2: SW30.1 12.89,80.72 27.87,80.72 SW31.1 36.71,80.72 46.92,80.72 SW32.1 55.76,80.72 65.97,80.72 70.39,76.3 74.81,80.72 85.02,80.72 SW34.1 93.86,80.72 104.07,80.72 SW35.1 112.91,80.72 123.12,80.72 SW36.1 131.96,80.72 142.17,80.72 SW37.1 151.01,80.72 161.22,80.72 165.64,76.3 170.06,80.72 180.27,80.72 SW39.1 189.11,80.72 199.32,80.72 SW40.1 208.16,80.72 218.37,80.72 SW41.1 227.21,80.72 237.42,80.72 SW42.1 246.26,80.72 261.24,80.72 SW43.1 270.07,80.72 294.57,80.72 SW44.1 306.04,83.35 313.42,83.35 313.43,83.34 315.68,85.59 315.68,110.84 319.92,115.09 A1.4
R4: length 410.3
  Bottom w0.2: SW45.1 15.28,61.67 32.64,61.67 SW46.1 41.47,61.67 51.69,61.67 SW47.1 60.52,61.67 70.74,61.67 SW48.1 79.57,61.67 89.79,61.67 SW49.1 98.62,61.67 108.84,61.67 SW50.1 117.67,61.67 127.89,61.67 SW51.1 136.72,61.67 146.94,61.67 SW52.1 155.77,61.67 165.99,61.67 SW53.1 174.82,61.67 185.04,61.67 SW54.1 193.87,61.67 204.09,61.67 SW55.1 212.92,61.67 223.14,61.67 SW56.1 231.97,61.67 241.42,61.67 245.83,57.25 SW57.1 262.93,61.67 272.37,61.67 276.79,57.25 SW58.1 303.58,61.84 313.7,61.84 316.08,64.22 316.08,110.68 317.95,112.55 A1.5
R5: length 420.7
  Bottom w0.2: SW59.1 20.04,42.62 29.48,42.62 33.9,38.2 SW60.1 50.99,42.62 61.21,42.62 SW61.1 70.04,42.62 80.26,42.62 SW62.1 89.09,42.62 99.31,42.62 SW63.1 108.14,42.62 118.36,42.62 SW64.1 127.19,42.62 137.41,42.62 SW65.1 146.24,42.62 156.46,42.62 SW66.1 165.29,42.62 175.51,42.62 SW67.1 184.34,42.62 194.56,42.62 SW68.1 203.39,42.62 213.61,42.62 SW69.1 222.44,42.62 239.81,42.62 SW70.1 244.22,35.93 246.91,33.25 254.27,33.25 255.7,31.81 273.55,31.81 SW71.1 279.94,38.2 SW72.1 305.97,45.18 315.25,45.18 316.47,46.41 316.48,46.4 316.48,108.29 318.19,110.01 A1.6
R6: length 440
  Bottom w0.2: A1.7 317.68,107.47 316.88,106.66 316.88,23.84 316.5,23.46 300.45,23.46 294.23,17.25 SW82.1 289.81,18.81 279.59,18.81 SW81.1 270.76,18.81 260.54,18.81 SW80.1 254.5,12.76 243.8,12.76 242.36,14.2 235,14.2 232.32,16.88 SW79.1 227.9,23.57 217.68,23.57 SW78.1 208.85,23.57 198.63,23.57 SW77.1 143.44,19.15 139.02,23.57 129.58,23.57 SW76.1 72,19.15 67.58,23.57 58.14,23.57 SW75.1 49.31,23.57 34.33,23.57 SW74.1 25.49,23.57 10.51,23.57 SW73.1
RGB: length 348.1
  Top w0.2: v1(316.81,125.5) 316.61,125.7 28.04,125.7 21.68,119.34 v1(21.68,115.01) ; v1(334.17,115.3) 335.09,114.38 v1(335.09,108.26)